# KiCad board rosco_m68k.kicad_pcb (continued)
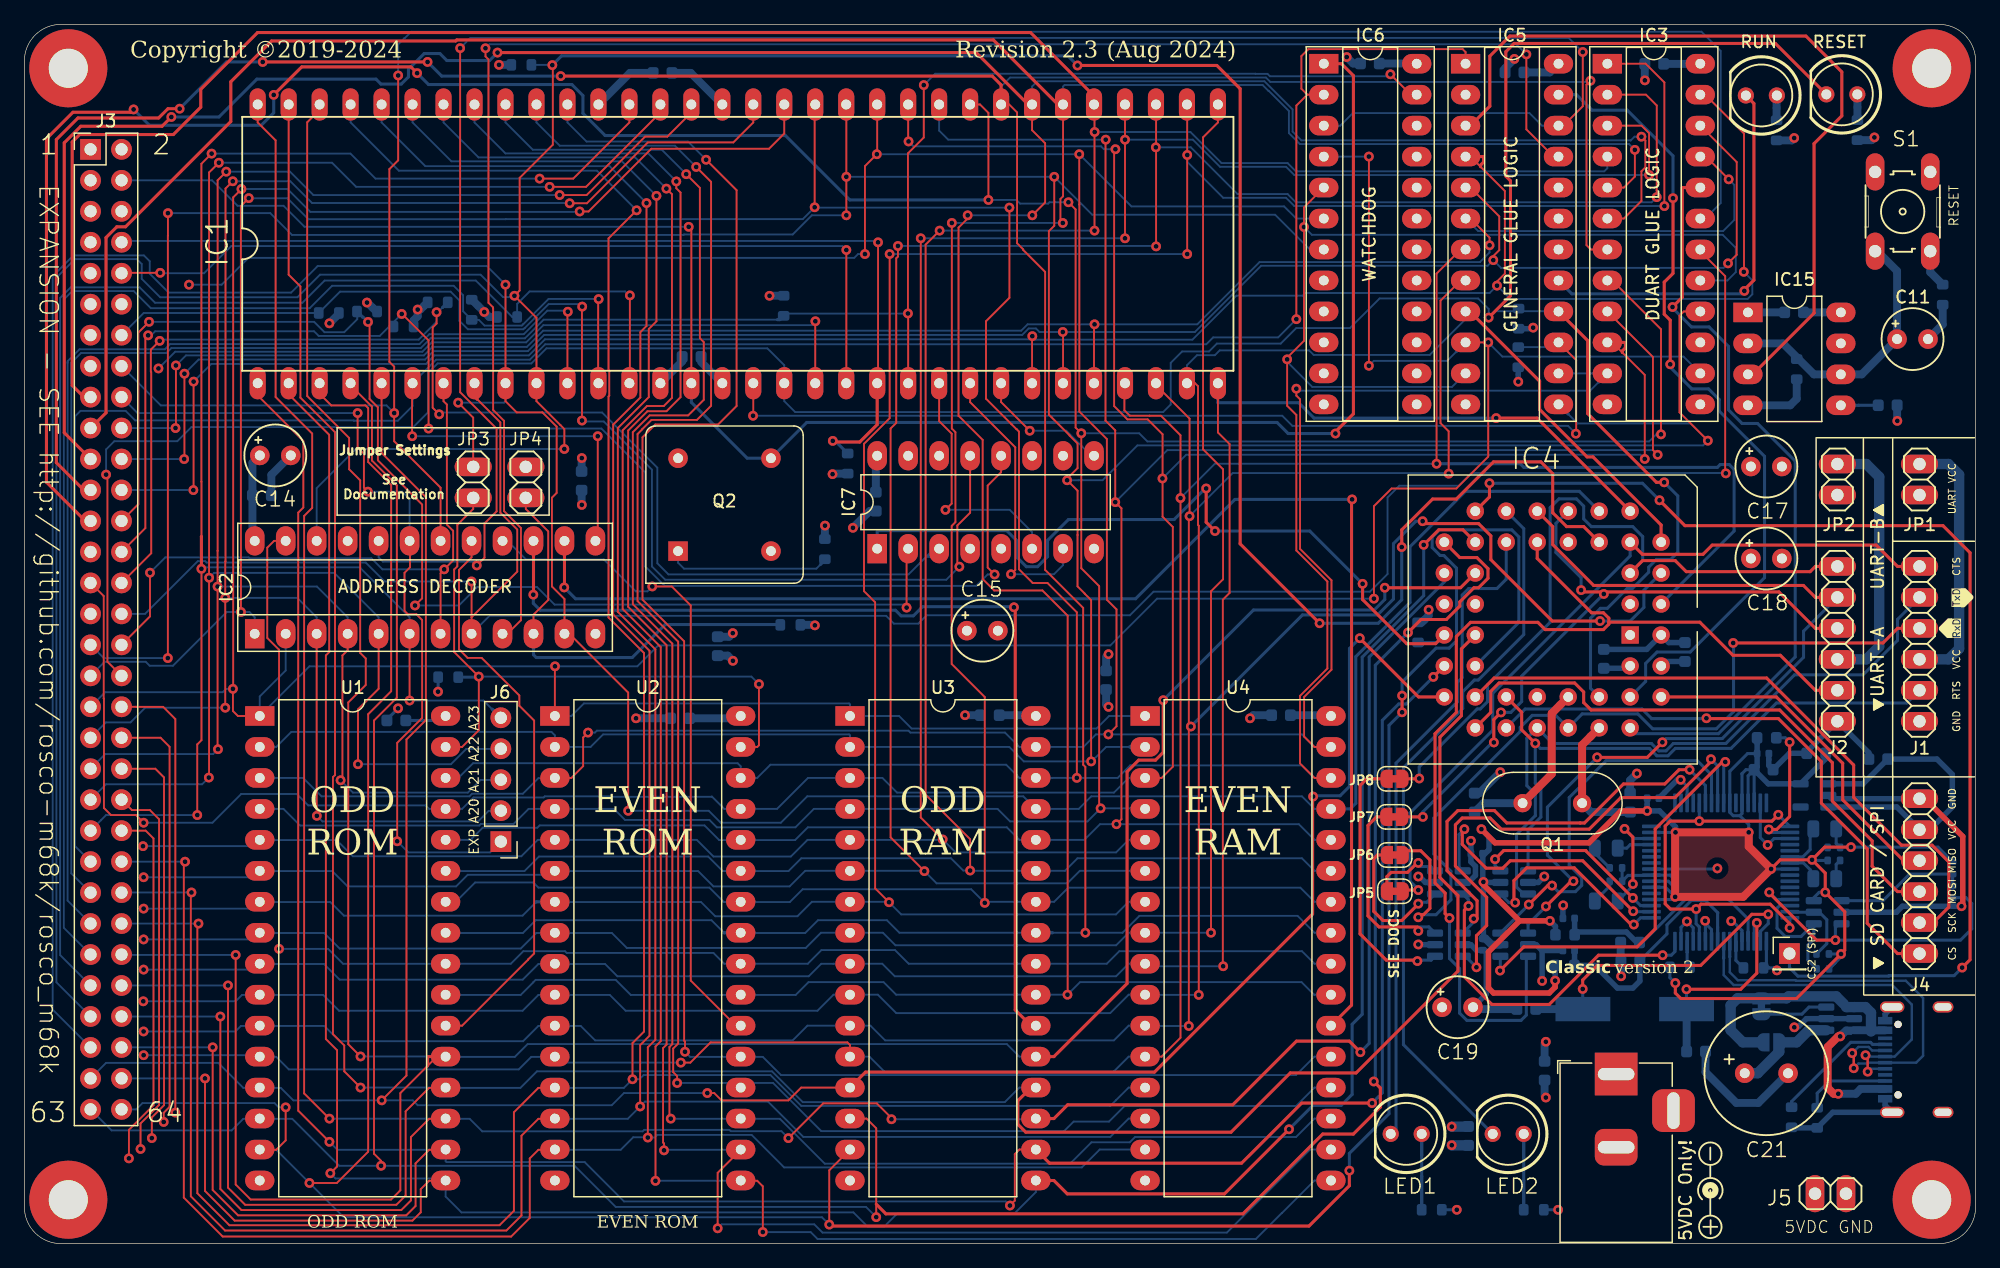
[diagram p0: board, top side]
## Routing (per net, layer and track width the routed paths; a pad name or vN(x,y) marks a point on that pad's centre or on a via; arc(x,y) is an arc through that point) (continued)
A19: length 344.8
  Top w0.152: v1(110.66,52.9) 110.66,60.48 112.11,61.93 117.42,61.93 120.03,64.55 v1(120.03,73.92) IC5.10 ; IC1.47 62.31,91.05 61.06,89.8 51.41,89.8 46.26,84.65 v1(45.53,84.65) ; U1.1 17.51,43.28 17.1,43.68 v1(17.1,45.5) 17.12,45.52 17.12,85.81 17.8,86.49 ; U2.1 43.5,47.34 v1(43.51,47.35) ; v1(110.25,89.16) v1(110.25,72)
  Top w0.25: v1(17.8,86.5) 17.8,86.5 17.8,86.49
  Bottom w0.152: IC2.2 21.43,47.01 19.3,44.88 U1.1 23.37,47.35 v1(43.51,47.35) 50.26,47.35 51.97,49.06 89.04,49.06 92.88,52.9 v1(110.66,52.9) ; v1(120.03,73.92) 121.2,72.75 136.04,72.75 IC3.14 ; v1(17.1,45.5) 16.53,45.5 16.26,45.22 6.62,45.22 J3.37 ; U2.1 44.85,43.28 45.88,44.3 67.62,44.3 67.7,44.23 U3.1 71.72,43.28 72.75,42.25 87.92,42.25 88.94,43.28 U4.1 ; v1(110.25,89.16) 110.25,89.16 IC6.4 ; v1(45.53,84.65) 45.5,84.62 23.45,84.62 21.57,86.5 v1(17.8,86.5) ; v1(110.25,72) 110.65,72.4 116.66,72.4 IC5.10
  Bottom w0.25: 117.42,73.16 IC5.10
A20: length 143.2
  Top w0.152: v1(16.47,43.95) v1(16.47,52.96) 16.47,55.95 16.49,55.97 16.49,86.54 v1(17.09,87.13) ; v1(44.71,85.33) 46.13,85.33 51.12,90.32 58.13,90.32 59.77,91.96 IC1.48 ; v1(23.98,35.08) 23.97,35.1 IC2.3
  Bottom w0.152: v1(16.47,43.95) 9.9,43.95 8.7,42.75 6.68,42.75 J3.39 ; IC2.3 23.97,51.37 22.38,52.96 v1(16.47,52.96) ; v1(17.09,87.13) 21.81,87.13 23.59,85.35 44.69,85.35 v1(44.71,85.33) ; v1(23.98,35.08) 24.44,34.63 37.2,34.63 38.07,35.49 39.05,35.49
A21: length 139.8
  Top w0.152: v1(15.88,40.55) 15.84,40.58 v1(15.84,53.89) 15.84,56.83 15.84,56.83 15.84,87.21 v1(16.55,87.92) ; IC2.4 26.51,48.67 26.08,48.24 26.08,38.15 v1(25.93,38) ; v1(43.89,86) 46.1,86 50.9,90.8 52.72,90.8 54.69,92.77
  Bottom w0.152: 39.05,38.03 37.41,38.03 36.36,36.99 26.94,36.99 v1(25.93,38) ; v1(15.84,53.89) 23.99,53.89 26.51,51.37 IC2.4 ; v1(16.55,87.92) 21.78,87.92 23.7,86 v1(43.89,86) ; J3.41 6.62,40.15 15.47,40.15 v1(15.88,40.55)
A22: length 141.3
  Top w0.152: 52.15,92.77 46.06,86.68 v1(43.07,86.68) ; IC2.5 29.05,45.51 27.35,43.81 v1(27.35,39.32) ; v1(15.95,88.65) 15.14,87.85 15.14,38.24 v1(15.12,38.22)
  Top w0.25: 15.14,54.58 15.15,54.59 v1(15.15,54.62)
  Bottom w0.152: 39.05,40.57 36.23,40.57 34.98,39.32 v1(27.35,39.32) ; J3.43 6.69,37.67 14.57,37.67 v1(15.12,38.22) ; v1(15.95,88.65) 25.23,88.65 27.2,86.68 v1(43.07,86.68) ; IC2.5 29.05,51.37 25.4,55.02 15.55,55.02 v1(15.15,54.62)
A23: length 139.9
  Top w0.152: IC1.52 49.61,91.96 45,87.35 v1(42.25,87.35) ; v1(15.35,89.4) 14.51,88.56 14.51,62.49 14.52,62.48 14.52,41.29 14.17,40.94 v1(14.17,35.15) ; IC2.6 v1(31.59,44.54)
  Top w0.25: 14.52,57.99 14.51,57.99 v1(14.51,55.35)
  Bottom w0.152: J3.45 6.27,34.72 6.27,34.72 6.7,35.15 v1(14.17,35.15) ; 39.07,43.11 37.64,44.54 v1(31.59,44.54) ; IC2.6 31.59,51.37 27.49,55.47 14.64,55.47 v1(14.51,55.35) ; v1(42.25,87.35) 28.79,87.35 26.74,89.4 v1(15.35,89.4)
  Bottom w0.25: 38.35,43.83 38.37,43.83 J6.5
AS: length 207
  Top w0.152: 105.2,94.24 104.3,93.34 v1(104.3,75.82) ; 105.2,94.24 IC6.2 ; 105.2,94.24 104.71,94.72 104.71,97.4 105.29,97.97 117.93,97.97 118.18,97.73 118.18,97.25 ; v1(47.01,66.22) 47.01,57.83 ; v1(31.8,66.22) 31.79,66.23 31.79,69.56
  Bottom w0.152: J3.47 4.15,32.6 4.15,67.85 4.6,68.3 8.3,68.3 9.08,67.52 27,67.52 27.02,67.49 30.62,67.49 31.83,68.7 IC1.6 33.76,72.5 41.45,72.5 42.71,73.76 96.92,73.76 97.48,74.33 102.81,74.33 v1(104.3,75.82) ; v1(31.8,66.22) v1(47.01,66.22)
BERR: length 181.2
  Top w0.152: IC1.22 72.47,76.27 v1(72.45,76.29) 72.45,89.42 73.75,90.72 v1(73.75,95.02) ; v1(112.01,95.91) 113.69,94.24
  Bottom w0.152: v1(112.01,95.91) 111.85,95.75 102.13,95.75 101.94,95.94 100.95,95.94 100.94,95.95 74.68,95.95 v1(73.75,95.02) ; J3.49 3.85,30.37 3.85,72.12 3.85,72.25 4.65,73.05 11.65,73.05 12.05,73.45 32.51,73.45 33.3,74.25 41.04,74.25 42.57,75.78 61.74,75.78 62.24,76.28 72.44,76.28 v1(72.45,76.29)
  Bottom w0.25: 61.75,75.78 61.95,75.78 62.26,76.09
BG: length 95.6
  Top w0.152: IC1.11 44.53,76.4 v1(44.56,76.43)
  Bottom w0.152: v1(44.56,76.43) 44.47,76.52 42.88,76.52 40.95,74.59 33.21,74.59 32.4,73.78 11.95,73.78 11.52,73.35 4.52,73.35 3.57,72.41 3.55,72.38 3.55,72.25 3.54,72.24 3.54,28.13 J3.51
BGACK: length 109.2
  Top w0.152: 47.05,71.44 47.05,77.43 v1(47.09,77.47)
  Bottom w0.152: v1(47.09,77.47) 47.08,77.48 42.98,77.48 40.9,75.4 40.89,75.4 40.79,75.3 37.73,75.3 37.27,75.77 R9.1 35.98,76.47 35.98,77.78 35.2,78.56 25.23,78.56 23.39,76.72 10.37,76.72 8.96,78.13 3.92,78.13 3.32,77.53 3.32,77.52 3.24,77.44 3.24,25.9 J3.53
BOOT: length 144.8
  Top w0.152: v1(123.16,97.54) 123.16,91.39 125.4,89.16 ; 39.61,50.02 40.72,51.13 40.72,58.69 39.33,60.08 39.33,67.48 38.44,68.38 38.44,76.71 38.43,76.72 38.43,76.79 38.05,77.16 38.05,97.13 37.81,97.37 v1(37.81,98.04)
  Bottom w0.152: v1(123.16,97.54) 122.34,98.37 38.13,98.37 v1(37.81,98.04)
BR: length 115.8
  Top w0.152: 49.65,70.61 v1(49.65,77.77)
  Bottom w0.152: v1(49.65,77.77) 49.58,77.77 49.25,78.1 41.42,78.1 40.41,77.07 R7.1 40,76 37.02,78.99 24.62,78.99 22.8,77.17 10.71,77.17 9.45,78.43 3.8,78.43 2.93,77.57 2.93,23.66 J3.55
CLK: length 151.7
  Top w0.152: v1(54.47,83.4) 54.69,83.18 IC1.15
  Top w0.25: v1(107.5,66.44) 107.55,66.49 107.55,66.63 108.98,68.05 108.98,95.8 108,96.78 IC6.1
  Bottom w0.152: v1(54.47,83.4) 22.97,83.4 21.25,85.12 17.48,85.12 15.39,87.21 7.96,87.21
  Bottom w0.25: IC1.15 54.69,69 59.27,64.42 Q2.5 64.15,67.35 102.72,67.35 103.63,66.44 v1(107.5,66.44)
CPUSP: length 173.7
  Top w0.152: v1(127.79,97.73) 127.79,93.29 126.2,91.7 ; v1(35.73,98.05) 35.73,69.83 38.72,66.84 38.72,60.06 37.73,59.07 37.73,56.26 v1(37.09,55.63)
  Bottom w0.152: v1(127.79,97.73) 126.63,98.89 36.57,98.89 v1(35.73,98.05) ; IC5.22 124.44,91.7 123.42,92.72 108.93,92.72 107.9,91.7 IC6.3 ; v1(37.09,55.63) 36.79,55.93 29.4,55.93 29.05,56.29 IC2.20
CTSA: length 62.7
  Top w0.25: J1.6 153.6,55.54 151.85,57.29 138.4,57.29 137.64,56.54 132.68,56.54 IC4.8 ; JP5.2 113.12,29 v1(114.3,29)
  Bottom w0.25: 114.25,29.1 113.62,29.72 113.62,35.33 120.4,42.11 120.4,45.13 131.67,56.4 IC4.8
CTSB: length 59.5
  Top w0.25: v1(114.38,38.15) 114.35,38.12 113.38,38.12 113,37.75 ; IC4.5 132.69,56.02 135.37,56.02 136.27,55.11 146.43,55.11 146.86,55.54 J2.6
  Bottom w0.25: v1(114.38,38.15) 114.38,39.1 119.13,43.85 119.38,43.85 119.98,44.45 119.98,45.83 125.11,50.96 125.11,60.36 125.84,61.09 127.26,61.09 127.86,60.49 127.86,59.44 128.49,58.81 131.88,58.81 132.7,57.99 132.7,56.03 IC4.5
D0: length 205.4
  Top w0.152: U3.13 63.7,12.8 62.65,11.75 57.17,11.75 56.57,12.35 v1(56,12.35) ; IC1.5 29.29,64.85 32.62,61.53 32.62,61.52 32.92,61.22 32.92,42.94 31.33,41.35 31.33,13.78 v1(29.3,11.75)
  Top w0.25: IC4.28 114.32,44.84 v1(109.5,49.65) ; v1(105.67,36.67) 105.63,36.62 105.63,27.04 92.66,14.07 68.97,14.07 U3.13
  Bottom w0.152: v1(56,12.35) 49.16,12.35 48.16,11.35 32.25,11.35 31.85,11.75 v1(29.3,11.75) 22.05,11.75 21.02,12.78 17.95,12.78 15.9,14.82 6.7,14.82 J3.61
  Bottom w0.25: v1(105.67,36.67) 105.74,36.73 107.89,36.73 108.66,37.5 108.66,48.81 v1(109.5,49.65)
D1: length 244.3
  Top w0.152: 27.07,70.08 28.5,68.65 28.5,64.23 30.54,62.19 30.54,44.77 28.67,42.9 28.67,7.37 29.25,6.79 v1(29.25,6.38) ; U3.14 69.05,10.26 69.85,9.46 v1(69.85,2.17)
  Top w0.25: 69.85,3.24 70.64,2.44 99.92,2.44 106.46,8.99 108.98,8.99 111.19,11.2 111.19,12.76 v1(110.65,13.3) ; IC4.18 117.7,56.27 119.11,56.27 120.02,55.36 120.02,54.57 119.24,53.8 118.86,53.8 117.7,52.64 117.7,52.29 116.6,51.19 114.52,51.19 v1(113.46,50.12)
  Bottom w0.152: v1(69.85,2.17) 69.01,3.01 48.49,3.01 45.12,6.38 v1(29.25,6.38) 25.82,6.38 21.96,10.24 17.95,10.24 17,9.28 7.15,9.28 J3.63
  Bottom w0.25: v1(113.46,50.12) 110.78,47.44 110.78,13.42 v1(110.65,13.3)
D2: length 270.1
  Top w0.152: v1(21.42,11.17) 21.42,8.47 20.65,7.7 19.32,7.7 ; v1(23.38,4.97) 25.62,4.97 28.19,7.54 28.19,43.42 30.08,45.31 30.08,62.22 28.19,64.11 28.19,68.53 27.97,68.75 25.16,68.75 24.21,69.7 ; U3.15 66,6.02 v1(66,1.56)
  Top w0.25: v1(112.97,43.58) v1(112.97,44.94) ; v1(66,1.56) 66.12,1.44 105.34,1.44 108.65,4.75 v1(108.65,5.99)
  Bottom w0.152: 7.96,11.01 9.17,11.01 9.68,11.53 20.51,11.53 20.86,11.17 v1(21.42,11.17) ; 19.3,7.7 20.65,7.7 v1(23.38,4.97) 26.19,2.16 65.4,2.16 v1(66,1.56)
  Bottom w0.25: v1(112.97,43.58) 111.9,42.51 111.9,10.65 108.65,7.4 v1(108.65,5.99) ; v1(112.97,44.94) 112.97,46.06 115.75,48.84 116.83,48.84 117.43,49.45 117.43,55.4 116.39,56.44 116.09,56.44 115.44,57.09 115.44,57.94 116.03,58.54 121.97,58.54 122.54,57.97 122.54,50.95 IC4.27
D3: length 250
  Top w0.152: v1(25.09,5.77) 25.64,6.32 25.64,15.86 24.72,16.78 24.72,48.24 24.99,48.51 24.99,66.34 21.67,69.66 ; 34.52,5.16 33.19,5.16 32.5,4.47 32.5,2.57 31.82,1.89 17.24,1.89 14.81,4.32 v1(14.81,13.55)
  Top w0.25: v1(103.7,9.38) 98.4,4.08 85.52,4.08 84.42,5.18 U3.17 ; v1(114.74,57.31) 115.98,58.55 117.97,58.55 IC4.19
  Bottom w0.152: v1(25.09,5.77) 25.51,5.34 34.35,5.34 ; U3.17 82.94,4.22 81.21,2.5 71.6,2.5 70.51,1.4 69.14,1.4 67.98,2.56 35.84,2.56 34.54,3.86 34.54,5.16 ; v1(14.81,13.55) 7.96,13.55
  Bottom w0.25: v1(103.7,9.38) 105.66,11.34 107.98,11.34 108.88,12.23 108.88,17.99 109.7,18.81 109.7,48.1 114.74,53.14 v1(114.74,57.31)
D4: length 240.9
  Top w0.152: v1(25.01,8.35) 22.46,10.91 22.46,59.96 22.87,60.37 22.87,65.83 19.13,69.57 ; 34.52,7.7 33.19,7.7 32.07,6.58 32.07,3.08 31.31,2.32 17.52,2.32 15.44,4.4 v1(15.44,16.1) ; U3.18 81.59,7.72 81.21,7.34 81.21,3.52 v1(80.81,3.12)
  Top w0.25: v1(115.53,46.48) 115.54,46.48 IC4.26 ; U3.18 84.06,6.6 99.81,6.6 104.73,11.53 v1(110.51,11.53)
  Bottom w0.152: v1(15.44,16.1) 7.97,16.1 ; v1(25.01,8.35) 25.67,7.7 34.54,7.7 34.54,6.76 34.62,6.69 45.94,6.69 49.17,3.46 80.48,3.46 v1(80.81,3.12)
  Bottom w0.25: v1(115.53,46.48) 113.31,44.26 112.69,44.26 111.35,42.92 111.35,12.37 v1(110.51,11.53)
D5: length 265.7
  Top w0.152: IC1.64 19.13,91.96 20.6,90.49 20.6,69.44 23.6,66.44 23.6,60.34 22.94,59.68 22.94,12.32 v1(25.01,10.25) ; v1(16.07,18.62) 16.07,4.48 17.8,2.75 30.91,2.75 31.69,3.54 31.69,8.74 33.19,10.24 34.52,10.24 ; v1(71.1,10.2) 71.14,10.24 71.14,10.26 69.9,11.5 65.5,11.5 v1(62.65,8.65)
  Top w0.25: v1(109.55,15.7) 108.64,16.61 104.31,16.61 99.08,11.38 85.55,11.38 84.42,10.26 U3.19
  Bottom w0.152: v1(16.07,18.62) 7.97,18.62 ; 34.56,10.24 36.51,10.24 37.54,9.21 50.7,9.21 50.82,9.33 57.81,9.33 57.92,9.22 62.08,9.22 v1(62.65,8.65) ; v1(71.1,10.2) 82.88,10.2 ; v1(25.01,10.25) 34.53,10.25
  Bottom w0.25: 116.43,54.84 116.43,54.27 110.28,48.11 110.28,16.42 v1(109.55,15.7)
D6: length 267.1
  Top w0.152: v1(16.7,21.17) 16.7,4.59 18.1,3.18 30.5,3.18 31.26,3.94 31.26,10.85 33.19,12.78 34.52,12.78 ; IC1.63 21.67,79.47 22.63,78.51 22.63,69.39 25.47,66.55 25.47,38.43 25.3,38.26 25.3,17.18 26.23,16.25 26.23,14.13 v1(27.56,12.8)
  Top w0.25: 82.54,12.8 81.46,11.72 81.46,9.79 82.11,9.14 98.94,9.14 103.8,14 109.2,14 117.55,22.35 117.55,28.55 116.07,30.03 116.07,41.54 117.84,43.3 117.84,48.78 IC4.25
  Bottom w0.152: 34.52,12.8 v1(27.56,12.8) ; 34.54,12.78 40.68,12.78 42.03,14.13 61.3,14.13 63.83,11.6 80.4,11.6 81.59,12.8 U3.20 ; v1(16.7,21.17) 7.97,21.17
D7: length 259.7
  Top w0.152: v1(17.32,23.67) 17.32,4.84 18.56,3.61 30.07,3.61 30.83,4.38 30.83,12.35 33.06,14.58 33.8,15.32 ; 24.1,92.88 23.19,91.97 23.19,69.52 26.63,66.08 26.63,63.51 27.54,62.6 27.54,48.45 27.99,47.99 27.99,45.82 26.56,44.39 26.56,16.35 v1(27.56,15.35)
  Top w0.25: U1.21 33.06,15.34 33.06,14.58 ; v1(111.55,53.8) 117.77,53.8 IC4.21 ; U3.21 84.42,15.34 90.42,21.34 90.42,38.71 91.37,39.66 92.75,39.66 93.39,40.3 v1(93.39,44.57)
  Bottom w0.152: U3.21 81.59,15.34 80.56,16.36 41.27,16.36 40.22,15.32 34.54,15.32 ; v1(27.56,15.35) 34.51,15.35 ; v1(17.32,23.67) 8,23.67
  Bottom w0.25: v1(93.39,44.57) 100.78,51.97 110.69,51.97 111.55,52.83 v1(111.55,53.8)
D8: length 220.5
  Top w0.152: v1(50.2,84.75) 47.9,82.45 47.9,71.66 47.96,71.6 47.96,69.54 47.9,69.48 47.9,51.35 50.81,48.44 50.81,17.39 49.86,16.44 v1(49.86,13.48) ; 43.48,12.78 42.15,12.78 40.14,10.77 40.14,2.69 38.96,1.51 16.81,1.51 14.18,4.13 14.18,26.16 v1(14.27,26.25)
  Bottom w0.152: 43.5,12.78 49.16,12.78 v1(49.86,13.48) 50.43,13.48 50.77,13.82 61.18,13.82 63.7,11.3 89.05,11.3 89.52,11.77 89.52,11.77 90.55,12.8 U4.13 ; v1(14.27,26.25) 7.96,26.25 ; v1(50.2,84.75) 46.95,88 30.71,88 26.75,91.96 IC1.61
D9: length 222.8
  Top w0.152: v1(51.01,85.34) 51.01,75.26 50.51,74.76 50.51,69.4 48.28,67.17 48.28,51.6 51.26,48.62 51.26,17.05 50.49,16.28 v1(50.49,11.25) ; 43.48,10.24 42.15,10.24 40.76,8.85 40.76,2.31 39.52,1.07 16.45,1.07 13.65,3.88 13.65,28.75 v1(13.7,28.8)
  Bottom w0.152: U4.14 90.55,10.26 89.04,8.75 63.87,8.75 60.97,11.65 50.89,11.65 v1(50.49,11.25) 49.48,10.24 43.5,10.24 ; IC1.60 29.29,91.96 32.88,88.37 47.99,88.37 v1(51.01,85.34) ; v1(13.7,28.8) 7.97,28.8
D10: length 225
  Top w0.152: 43.48,7.7 42.15,7.7 41.44,6.99 41.44,2.11 39.91,0.58 16.26,0.58 13.07,3.77 13.07,31.22 v1(13.17,31.32) ; v1(51.12,8.7) 51.12,16.1 51.74,16.72 51.74,48.74 48.66,51.82 48.66,66.89 51.2,69.43 51.2,75.02 51.83,75.65 v1(51.83,85.94)
  Bottom w0.152: v1(51.83,85.94) 48.99,88.77 35.02,88.77 31.83,91.96 IC1.59 ; 51.1,8.72 49.92,8.72 48.9,7.7 43.52,7.7 ; v1(51.12,8.7) 51.69,8.7 51.9,8.92 59.63,8.92 62.3,6.25 86.71,6.25 88.18,7.72 U4.15 ; v1(13.17,31.32) 7.97,31.32
  Bottom w0.25: 51.1,8.72 v1(51.12,8.7)
D11: length 245.4
  Top w0.152: v1(52.64,86.53) 53.1,86.07 53.1,69.37 52.43,68.7 51.05,68.7 49.06,66.71 49.06,52.05 52.18,48.93 52.18,16.6 51.75,16.17 v1(51.75,5.15) ; 7.96,33.87 9.95,33.87 10.59,33.23 10.59,11.35 8.57,9.33 v1(8.57,6.99) ; 58.74,5.16 60.09,5.16 60.55,4.7 v1(60.55,0.95)
  Route15 w0.152: v1(8.57,6.99) 11.27,6.99 13.12,8.84 22.4,8.84 22.8,9.25 31.55,9.25 31.89,8.9 49.02,8.9 51.75,6.17 v1(51.75,5.15)
  Bottom w0.152: v1(52.64,86.53) 50.08,89.09 37.24,89.09 34.37,91.96 IC1.58 ; v1(51.75,5.15) 51.76,5.16 58.72,5.16 ; U4.17 105.79,5.18 103.11,2.5 103.1,2.5 100.98,0.38 65.04,0.38 64.48,0.94 60.56,0.94 v1(60.55,0.95)
D12: length 246.7
  Top w0.152: 58.74,7.7 56.85,5.81 v1(56.85,1.26) ; v1(52.45,7.65) 52.45,8.22 52.37,8.29 52.37,16.03 52.66,16.32 52.66,49.08 49.51,52.23 49.51,66.69 51.09,68.27 52.65,68.27 53.8,69.42 53.8,86.21 53.46,86.56 v1(53.46,87.12) ; v1(9.52,7.76) 9.52,9.85 11.04,11.37 11.04,34.81 10.29,35.56 8.81,35.56 7.96,36.41
  Route15 w0.152: v1(52.45,7.65) 50.7,7.65 49.14,9.21 32.02,9.21 31.67,9.55 22.67,9.55 22.27,9.15 12.99,9.15 11.61,7.76 v1(9.52,7.76)
  Bottom w0.152: IC1.57 36.91,91.96 39.45,89.42 51.16,89.42 v1(53.46,87.12) ; v1(52.45,7.65) 52.5,7.7 58.72,7.7 ; v1(56.85,1.26) 57.17,1.58 64.77,1.58 65.44,0.91 98.6,0.91 105.42,7.72 U4.18
D13: length 238
  Top w0.152: v1(10.45,8.66) 10.45,10.35 11.45,11.35 11.45,38.23 10.73,38.95 7.96,38.95 ; v1(53,10.25) 52.89,10.35 52.89,16.13 53.13,16.36 53.13,49.21 49.89,52.45 49.89,66.55 51.27,67.93 54.43,67.93 55.71,69.21 55.71,73.94 55.39,74.26 55.39,86.6 v1(54.27,87.71)
  Route15 w0.152: v1(53,10.25) 51.37,11.88 50.19,11.88 50.06,11.75 30.52,11.75 29.9,11.12 28.8,11.12 28.02,11.9 21.22,11.9 21.04,11.72 15.14,11.72 12.07,8.66 v1(10.45,8.66)
  Bottom w0.152: U4.19 105.79,10.26 104.28,8.75 91.07,8.75 90.64,8.31 87.5,8.31 85.74,6.56 65.63,6.56 61.95,10.24 53.01,10.24 v1(53,10.25) ; v1(54.27,87.71) 52.27,89.72 41.69,89.72 39.45,91.96 IC1.56
D14: length 235.3
  Top w0.152: v1(55.09,88.31) 56.31,87.08 56.31,68.72 55.15,67.56 51.42,67.56 50.66,66.8 50.66,66.78 50.28,66.4 50.28,52.7 53.61,49.37 53.61,16.41 53.2,16 53.2,14.07 53.52,13.74 v1(53.52,13.18) ; v1(11.42,9.98) 11.42,10.73 11.91,11.21 11.91,40.75 11.17,41.49 7.96,41.49
  Route15 w0.152: v1(53.52,13.18) 52.42,14.28 48.71,14.28 48.33,13.89 16.88,13.89 12.56,9.58 11.82,9.58 v1(11.42,9.98)
  Bottom w0.152: U4.20 105.79,12.8 104.28,11.28 90.22,11.28 88.94,10.01 86.04,10.01 85.26,9.23 65.34,9.23 61.39,13.18 v1(53.52,13.18) ; IC1.55 41.99,91.96 43.9,90.05 53.34,90.05 v1(55.09,88.31)
  Bottom w0.25: 59.12,13.18 59.73,13.18
D15: length 231.3
  Top w0.152: 7.96,44.03 9.17,44.03 9.17,44.02 11.38,44.02 12.38,43.02 v1(12.38,10.75) ; v1(54.17,15.74) 54.17,16.58 54.1,16.65 54.1,49.4 50.68,52.82 50.68,66.13 51.73,67.18 56.88,67.18 58.4,68.7 58.4,86.4 v1(55.9,88.9)
  Route15 w0.152: v1(12.38,10.75) 13.3,10.75 16.75,14.2 48.2,14.2 49.74,15.74 v1(54.17,15.74)
  Bottom w0.152: IC1.54 44.53,91.96 46.1,90.39 54.41,90.39 v1(55.9,88.9) ; v1(54.17,15.74) 54.59,15.32 60.55,15.32 62.04,13.82 104.28,13.82 105.79,15.34 U4.21
DTACK: length 306.5
  Top w0.152: v1(44.27,65.17) 44.27,66.81 43.95,67.13 41.99,69.1 IC1.10 41.99,75.93 v1(40.18,77.74) 40.61,78.17 40.61,87.41 43.33,90.13 43.33,96.67 43.3,96.67 v1(43.29,96.66)
  Top w0.25: v1(112.94,57.13) 112.94,58.54 115.47,61.07 117.42,61.07 120.47,64.12 124.35,64.12 125.32,63.15 125.32,59.95 126.46,58.81 127.86,58.81 IC4.10 ; v1(86.35,96.63) 97.78,96.63 99.69,94.72 99.69,57.4 v1(106.21,50.88)
  Bottom w0.152: J3.57 2.63,21.43 2.63,79.23 2.75,79.35 2.75,79.35 4.15,80.75 9.22,80.75 9.62,80.35 9.62,79.13 11.13,77.62 22.39,77.62 24.24,79.47 37.41,79.47 39.25,77.63 40.07,77.63 v1(40.18,77.74) ; R21.2 43.27,96.68 v1(43.29,96.66) ; IC2.22 23.97,61.96 27.18,65.17 v1(44.27,65.17)
  Bottom w0.25: v1(112.94,57.13) 112.94,52.81 111.02,50.88 v1(106.21,50.88) ; v1(43.29,96.66) 44.05,97.42 85.57,97.42 v1(86.35,96.63)
DUAIACK: length 66.5
  Top w0.25: v1(135.19,85.75) 135.19,79.58 134.47,78.86 134.47,76.23 134.96,75.74 v1(134.96,72.12)
  Bottom w0.25: v1(135.19,85.75) 135.19,89.21 131.44,92.96 128.55,92.96 127.28,94.24 IC5.23 ; IC4.41 132.94,46.11 132.94,47.59 133.88,48.52 136.6,48.52 142.69,54.62 142.69,64.57 138.98,68.28 138.98,69.22 138.1,70.11 136.73,70.11 134.96,71.88 v1(134.96,72.12)
DUAIRQ: length 63.8
  Top w0.25: v1(96.91,61.93) 96.91,59.17 v1(97.63,58.45) ; v1(109.73,54.12) 109.73,52.82 113.35,49.21 115.72,49.21 IC4.24
  Bottom w0.25: R16.2 115.82,49.31 IC4.24 ; IC7.1 69.93,58.48 80.55,58.48 81.36,57.67 81.36,56.32 82.16,55.52 83.08,55.52 83.9,56.34 83.9,57.68 85.61,59.39 94.28,59.39 96.82,61.93 v1(96.91,61.93) ; v1(109.73,54.12) 105.4,58.45 v1(97.63,58.45)
DUASEL: length 62.4
  Top w0.25: IC3.20 135.94,86.62 135.94,77.62 v1(135.15,76.82)
  Bottom w0.25: IC4.39 132.15,41.82 138.91,41.82 145.21,48.12 145.21,64.18 142.12,67.27 140.85,67.27 139.74,68.38 139.74,73.59 138.14,75.19 136.7,75.19 135.15,76.74 v1(135.15,76.82)
E: length 71.4
  Top w0.152: v1(67.4,81.5) 67.4,70.58 ; v1(11.13,79.62) 8,79.62
  Bottom w0.152: v1(11.13,79.62) 11.17,79.59 14.73,79.59 16.96,81.82 67.08,81.82 v1(67.4,81.5)
EVENRAMSEL: length 116.1
  Top w0.25: U4.22 108.83,19.56 108.83,61 v1(108.87,61.04) ; IC2.14 44.29,53.84 v1(44.27,53.82)
  Bottom w0.152: 99.3,61.04 99.28,61.02
  Bottom w0.25: v1(44.27,53.82) 45.2,52.89 91.12,52.89 99.27,61.04 v1(108.87,61.04)
EVENROMSEL: length 53.6
  Top w0.152: v1(51.49,53.9) 53.08,53.9 54.64,52.34 54.64,21.57 58.34,17.88
  Bottom w0.152: v1(51.49,53.9) 51.09,53.5 50.13,53.5 47.51,56.12 41.12,56.12 39.61,57.64
EXPSEL: length 68.9
  Top w0.152: 31.62,56.77 31.62,55.47 31.17,55.02 31.17,51.9 31.45,51.62 32.14,51.62 32.62,51.15 32.62,43.12 30.57,41.07 v1(30.57,33) ; v1(28.16,61.68) 27.84,62 27.84,64.78 27.32,65.3 v1(27.32,68.12)
  Bottom w0.152: v1(27.32,68.12) 27.32,68.12 9.27,68.12 7.96,69.43 ; v1(30.57,33) 31.48,32.09 38.19,32.09 J6.1 ; v1(28.16,61.68) 30.98,61.68 31.59,61.07 IC2.19